# Altium PCB IC_LAB_test.PcbDoc (part 7 of 8)
Units mil, origin at the board's own origin, x right, y up, seen from the top; angles counter-clockwise.
Board outline 9750.75 x 5353.06 mil, 2 copper layers (Top Layer, Bottom Layer); 164 components, 0 nets, 5989 pads, 3214 vias.
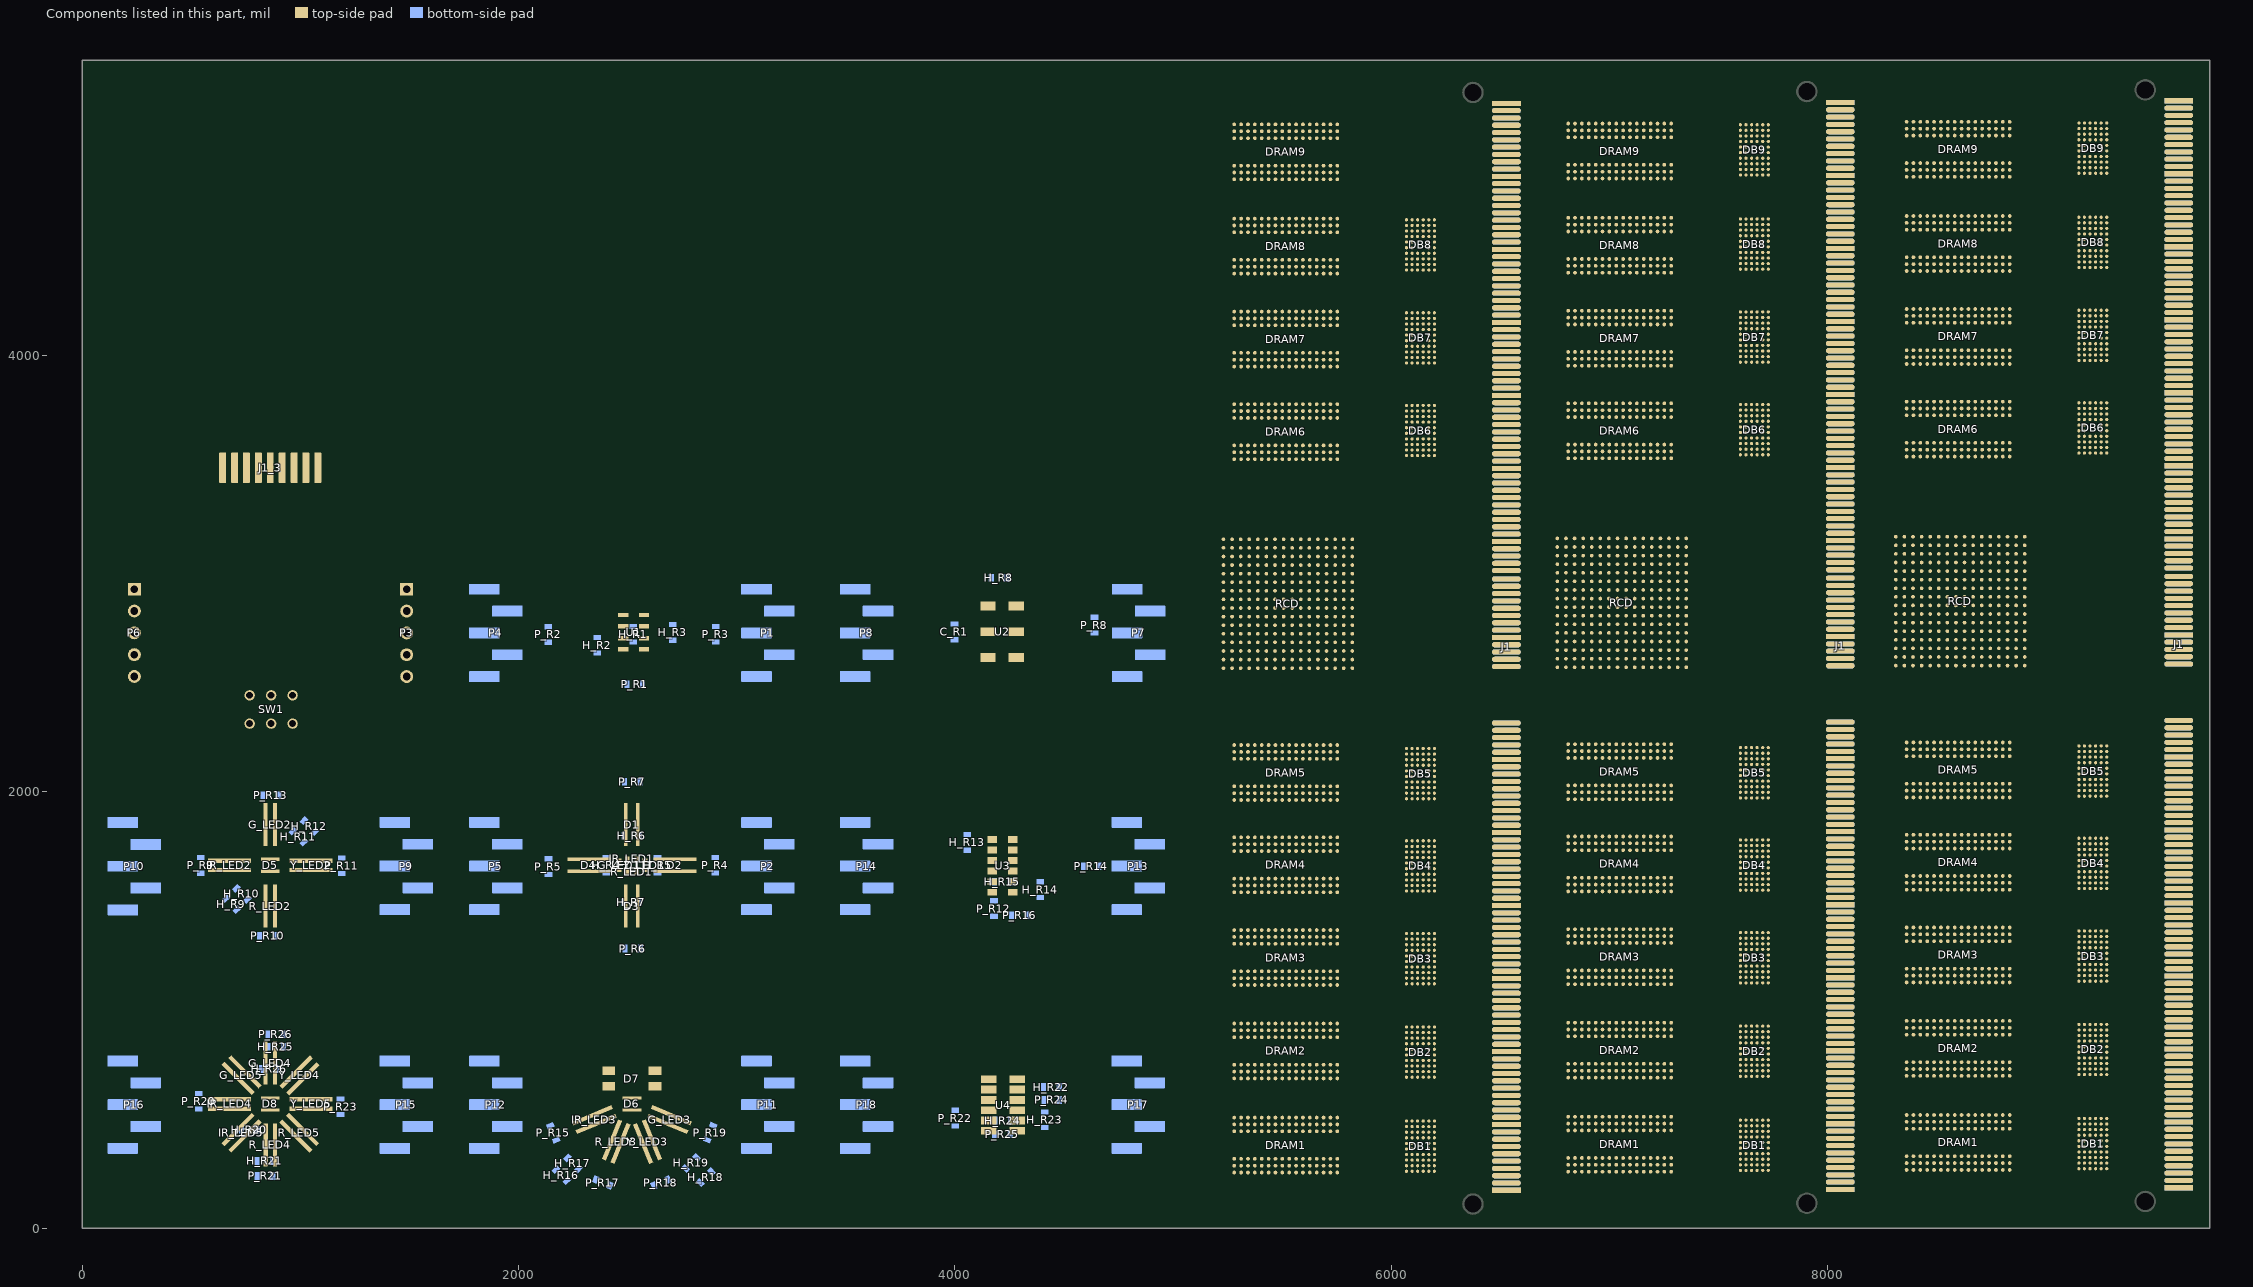
[diagram p7: the components of this part, seen from the top]

## Via types
v1: diameter 17.72, hole 8, Top Layer to Bottom Layer, 2685 vias
v2: diameter 39.37, hole 23.62, Top Layer to Bottom Layer, tented both sides, 414 vias
v3: diameter 23.62, hole 11.81, Top Layer to Bottom Layer, 52 vias
v4: diameter 23.62, hole 11.81, Top Layer to Bottom Layer, tented top, 33 vias
v5: diameter 31.5, hole 15.75, Top Layer to Bottom Layer, 21 vias
v6: diameter 137.8, hole 122.05, Top Layer to Bottom Layer, 3 vias
v7: diameter 78.74, hole 62.99, Top Layer to Bottom Layer, 3 vias
v8: diameter 39.37, hole 19.68, Top Layer to Bottom Layer, 3 vias

## Nets (pads, with @x,y where several pads share a name; then routed paths per layer and width w, separated by ;. In a path a pad name is that pad's centre, name@x,y a point inside that pad or via, vN(x,y) a via of type N, cw(c..) or ccw(c..) an arc to the next point about the centre after c; other vN are vias at no path point) (continued)
copper on no net: (continued)
  Bottom Layer w11.81: 186.02,765.75 231.1,765.75 250.2,746.65 250.2,740.38 257.12,733.46 607,733.46 660.43,680.03 660.43,637.99 711.61,586.81 855.09,586.81 862.01,593.73 v4(862.01,620.28) ; 186.02,1858.66 228.71,1858.66 247.81,1839.57 247.81,1858.66 300.59,1858.66 v3(316.93,1875) ; 225.39,769.69 270.47,769.69 289.57,750.59 289.57,744.32 296.49,737.4 646.37,737.4 699.8,683.97 699.8,641.93 750.98,590.75 894.46,590.75 901.38,597.67 901.38,624.21 ; 225.39,1862.6 268.08,1862.6 287.18,1843.5 287.18,1862.6 339.96,1862.6 356.3,1878.94 ; 291.14,665.75 336.22,665.75 355.31,684.84 355.31,691.11 362.23,698.03 592.32,698.03 632.87,657.48 632.87,615.44 696.94,551.38 855.09,551.38 862.01,544.46 v4(862.01,517.91) ; 291.14,1758.66 284.84,1764.96 284.84,1790.16 v3(334.45,1839.76) ; 330.51,669.69 375.59,669.69 394.69,688.78 394.69,695.05 401.6,701.97 631.69,701.97 672.24,661.42 672.24,619.38 736.31,555.32 894.46,555.32 901.38,548.4 901.38,521.85 ; 330.51,1762.6 324.21,1768.9 324.21,1794.09 373.82,1843.7 ; v3(489.96,1640.95) 493.16,1640.95 507.49,1626.61 543.11,1626.61 ; v3(491.21,545.2) 533.46,545.2 ; 529.33,1644.88 532.53,1644.88 546.86,1630.55 582.48,1630.55 ; 530.58,549.14 572.83,549.14 ; v3(593.5,631.89) 593.5,505.91 734.25,365.16 v3(756.89,365.16) 756.89,331.69 768.7,319.88 795.71,319.88 801.61,313.98 801.61,308.07 801.4,308.29 ; 632.87,635.83 632.87,509.84 773.62,369.09 796.26,369.09 796.26,335.63 808.07,323.82 835.08,323.82 840.98,317.91 840.98,312.01 840.77,312.22 ; 658.12,1510.18 658.12,1514.12 635.63,1536.61 v3(635.63,1728.54) 687.8,1728.54 768.5,1647.83 900.31,1647.83 1006.83,1541.31 1417.26,1541.31 1436.72,1521.85 1461.59,1521.85 1473.82,1534.08 1473.82,1540.35 1492.91,1559.45 1537.99,1559.45 ; v3@685.83,1597.64 685.83,1577.95 706.35,1557.43 ; v3(687.01,482.28) 718.5,450.79 730.74,450.79 ; v3(695.87,649.61) 695.87,732.28 746.13,782.55 851.38,782.55 ; 697.49,1514.12 697.49,1518.06 675,1540.55 675,1732.48 727.17,1732.48 807.87,1651.77 939.68,1651.77 1046.2,1545.25 1456.63,1545.25 1476.09,1525.79 1500.96,1525.79 1513.19,1538.02 1513.19,1544.29 1532.28,1563.39 1577.36,1563.39 ; 712.55,1458.71 735.04,1436.22 884.65,1436.22 ; v2@725.2,1601.57 725.2,1581.89 745.72,1561.37 ; 726.38,486.22 757.87,454.72 770.12,454.72 ; 735.24,653.54 735.24,736.22 785.5,786.49 890.75,786.49 ; 751.92,1462.65 774.41,1440.16 v3@924.02,1440.16 ; 756.9,1506.87 777.42,1486.35 777.49,1486.42 v3(796.06,1486.42) 796.06,1590.75 817.72,1612.4 885.63,1612.4 992.15,1505.88 1402.59,1505.88 1413.22,1495.25 1413.22,1478.54 1432.31,1459.45 1432.87,1459.45 ; 771.57,365.16 772.67,366.26 1059.03,366.26 1204.36,220.92 1524.94,220.92 1556.1,252.08 1556.1,397.53 1523.68,429.95 1523.68,451.44 1537.99,465.75 ; v3(772.64,749.02) 792.32,729.34 821.78,729.34 ; 796.27,1510.81 816.79,1490.29 816.86,1490.35 835.43,1490.35 835.43,1594.68 857.09,1616.34 925,1616.34 1031.52,1509.82 1441.96,1509.82 1452.59,1499.18 1452.59,1482.48 1471.68,1463.39 1472.24,1463.39 ; v3(797.05,1840.75) 829.53,1840.75 ; 810.94,369.09 812.04,370.19 1098.4,370.19 1243.73,224.86 1564.31,224.86 1595.47,256.02 1595.47,401.47 1563.05,433.89 1563.05,455.37 1577.36,469.69 ; 812.01,752.95 831.69,733.27 861.15,733.27 ; 828.97,1983.46 828.97,1841.3 829.53,1840.75 ; 836.42,1844.69 868.9,1844.69 ; v3(837.53,939.89) 837.53,938.49 851.81,924.21 851.81,888.78 ; 851.31,830.71 851.31,782.62 851.38,782.55 ; 868.34,1987.4 868.34,1845.24 868.9,1844.69 ; 873.1,308.07 877.04,312 v3(939.96,312) ; 876.9,943.83 876.9,942.43 891.18,928.15 891.18,892.72 ; 884.43,1338.99 885.2,1339.76 885.2,1435.67 884.65,1436.22 ; 890.68,834.65 890.68,786.56 890.75,786.49 ; 893.27,729.33 v3(938.98,729.33) ; 912.47,312 916.41,315.94 979.33,315.94 ; 922.8,830.71 1011.81,830.71 1090.55,751.97 v3(1090.55,697.83) ; 923.8,1342.93 924.57,1343.7 924.57,1439.6 v3@924.02,1440.16 ; 924.3,781.5 925.94,781.5 ; v3(926.97,1436.22) 884.65,1436.22 ; v3@932.64,733.27 978.35,733.27 ; 962.17,834.65 1051.18,834.65 1129.92,755.91 1129.92,701.77 ; 963.67,785.43 965.31,785.43 ; 965.15,1819.31 943.71,1840.75 829.53,1840.75 ; 966.34,1440.16 v3@924.02,1440.16 ; 1004.52,1823.25 983.08,1844.69 868.9,1844.69 ; 1015.7,1768.75 1041.14,1743.31 v3(1041.14,1596.65) 1084.45,1596.65 1139.57,1651.77 1139.57,1743.31 1187.99,1791.73 1466.9,1791.73 1473.82,1784.81 1473.82,1778.54 1492.91,1759.45 1537.99,1759.45 ; 1016.33,1867.54 996.86,1887.01 v3(926.97,1887.01) 971.26,1931.3 1117.91,1931.3 1222.05,1827.17 1361.78,1827.17 1368.7,1834.08 1368.7,1840.35 1387.8,1859.45 1432.87,1859.45 ; v3(1016.72,502.37) 965.14,450.78 802.24,450.78 799.21,447.76 v3(799.21,399.61) 1075.79,399.61 1219.04,256.35 1510.26,256.35 1520.67,266.76 1520.67,382.85 1513.75,389.77 1501.97,389.77 1477.95,365.75 1432.87,365.75 ; 1055.07,1772.69 1080.51,1747.24 1080.51,1600.59 1123.82,1600.59 1178.94,1655.71 1178.94,1747.24 1227.36,1795.67 1506.27,1795.67 1513.19,1788.75 1513.19,1782.48 1532.28,1763.39 1577.36,1763.39 ; 1055.7,1871.47 1036.23,1890.95 966.34,1890.95 1010.63,1935.24 1157.28,1935.24 1261.42,1831.1 1401.15,1831.1 1408.07,1838.02 1408.07,1844.29 1427.17,1863.39 1472.24,1863.39 ; 1056.09,506.3 1004.51,454.72 841.61,454.72 838.58,451.7 838.58,403.54 1115.16,403.54 1258.41,260.29 1549.63,260.29 1560.04,270.7 1560.04,386.79 1553.12,393.71 1541.34,393.71 1517.32,369.69 1472.24,369.69 ; 1066.88,1816.98 1097.24,1786.61 1097.24,1729.53 v3(1098.23,1728.54) ; v3(1082.68,504.92) 1082.68,527.56 1079.72,530.51 938.98,671.26 v3(938.98,729.33) ; 1106.25,1820.92 1136.61,1790.55 1136.61,1733.46 1137.6,1732.48 ; 1122.05,508.86 1122.05,531.5 1119.09,534.45 978.35,675.2 978.35,733.27 ; 1184.06,591.61 1185.08,590.59 1237.76,590.59 v3(1238.78,589.57) ; 1189.76,1625.12 v3@1271.65,1625.12 ; 1189.76,1696.61 1224.65,1696.61 v3(1236.02,1685.24) ; 1223.43,595.54 1224.45,594.52 1277.13,594.52 1278.15,593.5 ; 1229.13,1629.06 1311.02,1629.06 ; 1229.13,1700.55 1264.02,1700.55 1275.39,1689.17 ; 1432.87,765.75 1387.8,765.75 1368.7,746.65 1368.7,740.38 1361.78,733.46 1179.33,733.46 1097.44,651.58 1056.1,651.58 1038.39,669.29 1038.39,753.82 1010.71,781.5 925.94,781.5 ; 1472.24,769.69 1427.17,769.69 1408.07,750.59 1408.07,744.32 1401.15,737.4 1218.7,737.4 1136.81,655.51 1095.47,655.51 1077.76,673.23 1077.76,757.76 1050.08,785.43 965.31,785.43 ; 1537.99,665.75 1492.91,665.75 1473.82,684.84 1473.82,691.11 1466.9,698.03 1194.01,698.03 1112.12,616.14 1041.43,616.14 1002.95,654.61 1002.95,739.14 996.03,746.06 958.9,746.06 942.17,729.33 v3(938.98,729.33) ; 1577.36,669.69 1532.28,669.69 1513.19,688.78 1513.19,695.05 1506.27,701.97 1233.38,701.97 1151.49,620.08 1080.8,620.08 1042.32,658.55 1042.32,743.08 1035.4,750 998.27,750 981.54,733.27 978.35,733.27 ; 1843.5,565.75 2084.65,565.75 2145.25,505.14 2145.25,469.78 2145.29,469.74 2147.55,472 2229.58,472 2355.17,346.41 2355.17,224.89 2352.91,222.63 ; 1843.5,765.75 1973.19,765.75 1991.71,784.26 v5(1997.04,784.26) ; 1843.5,1859.45 1973.01,1859.45 1973.8,1860.24 v3(1990.16,1860.24) ; 1882.87,569.69 2124.02,569.69 2184.62,509.08 2184.62,473.72 2184.66,473.67 2186.92,475.93 2268.95,475.93 2394.54,350.35 2394.54,228.83 2392.28,226.57 ; 1882.87,769.69 2012.56,769.69 2031.08,788.2 2036.41,788.2 ; 1882.87,1863.39 2012.38,1863.39 2013.17,1864.17 2029.53,1864.17 ; 1947.02,1761.05 1948.62,1759.45 1973.03,1759.45 1992.13,1778.54 1992.13,1810.04 2008.57,1826.48 2031.2,1826.48 v3(2033.46,1828.74) ; 1986.39,1764.98 1987.99,1763.39 2012.4,1763.39 2031.5,1782.48 2031.5,1813.98 2047.94,1830.42 2070.57,1830.42 2072.83,1832.68 ; v5(2096.26,420.28) 2096.26,343.5 2095.77,343.01 2170.92,267.86 ; 2135.63,424.21 2135.63,347.44 2135.14,346.95 2210.29,271.8 ; 2135.63,2756.46 v3(2135.63,2796.26) ; 2136.81,1621.49 2136.81,1519.68 2438.98,1217.52 2663.39,1217.52 2697.83,1251.97 2697.83,1520.67 2653.54,1564.96 2510.83,1564.96 2497.04,1578.74 v4(2497.04,1609.74) ; 2170.87,402.51 v5(2201.31,356.44) 2225.74,332.02 2225.74,323.66 2224.07,322 ; 2175,2760.4 2175,2800.2 ; 2176.18,1625.43 2176.18,1523.62 2478.35,1221.46 2702.76,1221.46 2737.2,1255.91 2737.2,1524.61 2692.91,1568.9 2550.2,1568.9 2536.41,1582.68 v4@2536.41,1613.67 ; 2210.24,406.45 2240.68,360.38 2265.11,335.95 2265.11,327.6 2263.44,325.93 ; 2221.47,217.31 2265.54,173.23 2398.21,173.23 2418.95,193.97 2418.95,195.27 v5(2454,179.66) ; 2260.84,221.24 2304.91,177.17 2437.58,177.17 2458.32,197.91 2458.32,199.2 2493.37,183.6 ; 2274.62,271.44 2278.97,271.44 2297.22,253.19 2297.22,250.83 2296.22,249.84 ccw(c2303.65,257.26) v5(2303.65,246.76) ; 2313.99,275.38 2318.34,275.38 2336.59,257.13 2336.59,254.77 2335.59,253.77 ; v3(2324.8,1796.26) v3(2453.74,1796.26) 2486.15,1796.26 2488.12,1798.23 ; v4@2360.04,2595.47 2352.17,2587.6 2313.87,2587.6 2249.8,2651.66 2249.8,2776.58 2368.9,2895.67 3019.26,2895.67 3026.18,2902.59 3026.18,2908.86 3045.28,2927.95 3090.35,2927.95 ; 2360.04,2635.27 2355.67,2630.91 2320.67,2630.91 2285.24,2666.34 2285.24,2761.9 2383.57,2860.24 3124.38,2860.24 3131.3,2853.32 3131.3,2847.05 3150.39,2827.95 3195.47,2827.95 ; 2360.04,2706.76 2360.57,2706.24 2414.63,2706.24 v4(2415.16,2705.71) ; 2364.17,1800.2 2493.11,1800.2 2525.52,1800.2 2527.49,1802.17 ; v3@2388.78,1752.95 2385.83,1752.95 2357.28,1724.41 2357.28,1603.35 2390.75,1569.88 v3(2399.61,1569.88) 2432.09,1537.4 2599.41,1537.4 2622.05,1514.76 v3(2622.05,1465.55) ; 2399.41,2599.41 2391.54,2591.54 2353.24,2591.54 2289.17,2655.6 2289.17,2780.51 2408.27,2899.61 3058.63,2899.61 3065.55,2906.53 3065.55,2912.8 3084.65,2931.89 3129.72,2931.89 ; 2399.41,2639.21 2395.04,2634.84 2360.04,2634.84 2324.61,2670.28 2324.61,2765.84 2422.94,2864.17 3163.75,2864.17 3170.67,2857.25 3170.67,2850.98 3189.76,2831.89 3234.84,2831.89 ; 2399.41,2710.7 2399.94,2710.17 2454,2710.17 2454.53,2709.65 ; v3(2400.59,1752.95) 2401.57,1751.97 v3(2644.69,1751.97) ; 2401.57,1626.9 2476.68,1626.9 v4@2493.85,1609.74 ; 2401.57,1698.39 2476.69,1698.39 ; v4(2415.16,2756.89) 2415.69,2757.42 2524.87,2757.42 2525.4,2757.95 ; 2428.15,1756.89 2425.2,1756.89 2396.65,1728.35 2396.65,1607.28 2430.12,1573.82 2438.98,1573.82 2471.46,1541.34 2638.78,1541.34 2661.42,1518.7 2661.42,1469.49 ; 2439.96,1756.89 2440.94,1755.91 2684.06,1755.91 ; 2440.94,1630.83 2516.05,1630.83 v4@2533.22,1613.67 ; 2440.94,1702.33 2516.06,1702.33 ; v3(2445.87,2046.26) 2483.7,2046.26 2484.68,2045.28 ; 2454.53,2760.83 2455.06,2761.35 2564.24,2761.35 2564.77,2761.88 ; 2480.24,1494.1 2479.26,1493.11 v3(2453.74,1493.11) 2416.34,1493.11 2283.46,1625.98 2283.46,1869.01 2351.46,1937.01 2601.29,1937.01 2711.13,1827.17 3019.26,1827.17 3026.18,1834.08 3026.18,1840.35 3045.28,1859.45 3090.35,1859.45 ; 2485.24,2050.2 2523.07,2050.2 2524.05,2049.21 ; 2487.56,1281.5 2487.56,1391.11 2553.7,1457.25 2553.7,1495.08 ; v4@2493.85,1715.55 2476.69,1698.39 ; 2519.61,1498.04 2518.63,1497.05 2493.11,1497.05 2455.71,1497.05 2322.83,1629.92 2322.83,1872.94 2390.84,1940.94 2640.66,1940.94 2750.5,1831.1 3058.63,1831.1 3065.55,1838.02 3065.55,1844.29 3084.65,1863.39 3129.72,1863.39 ; 2525.39,2686.45 2525.39,2619.09 2541.14,2603.35 v4(2572.64,2603.35) 2572.64,2630.91 2580.51,2638.78 2601.27,2638.78 2640.64,2599.41 2813.87,2599.41 3030.4,2382.87 3166.17,2382.87 3202.67,2419.38 3202.67,2532.41 3181.16,2553.93 3181.16,2613.64 3195.47,2627.95 ; 2526.93,1285.43 2526.93,1395.04 2593.07,1461.18 v3@2593.07,1499.02 ; v4@2533.22,1719.49 2516.06,1702.33 ; v4(2541.33,1609.74) 2544.53,1609.74 2561.69,1626.9 2636.81,1626.9 2721.53,1626.9 2856.69,1491.73 3019.26,1491.73 3026.18,1484.81 3026.18,1478.54 3045.28,1459.45 3090.35,1459.45 ; v4@2544.53,1715.55 2561.7,1698.39 2636.81,1698.39 2901.57,1698.39 ; 2551.74,1494.09 2552.72,1495.08 2553.7,1495.08 ; 2554.69,1798.23 2556.66,1796.26 2580.71,1796.26 2580.71,1832.68 2571.85,1841.54 2367.13,1841.54 2357.28,1851.38 2357.28,1892.72 2366.14,1901.57 2586.61,1901.57 2696.46,1791.73 3124.38,1791.73 3131.3,1784.81 3131.3,1778.54 3150.39,1759.45 3195.47,1759.45 ; 2564.76,2690.39 2564.76,2623.03 2580.51,2607.28 2612.01,2607.28 2612.01,2634.84 2619.88,2642.72 2640.64,2642.72 2680.01,2603.35 2853.24,2603.35 3069.77,2386.81 3205.54,2386.81 3242.05,2423.32 3242.05,2536.35 3220.53,2557.86 3220.53,2617.58 3234.84,2631.89 ; 2572.21,2493.11 2576.14,2497.05 v4(2615.94,2497.05) ; 2580.7,1613.67 2583.9,1613.67 2601.06,1630.83 2676.18,1630.83 2760.9,1630.83 2896.06,1495.67 3058.63,1495.67 3065.55,1488.75 3065.55,1482.48 3084.65,1463.39 3129.72,1463.39 ; 2583.9,1719.49 2601.07,1702.33 2676.18,1702.33 2940.94,1702.33 ; v3(2584.65,1500) 2558.63,1500 2553.7,1495.08 ; v3@2591.11,1498.03 2592.09,1499.02 v3@2593.07,1499.02 ; v3@2594.06,1802.17 2596.03,1800.2 2620.08,1800.2 2620.08,1836.61 2611.22,1845.47 2406.5,1845.47 2396.65,1855.32 2396.65,1896.65 2405.51,1905.51 2625.98,1905.51 2735.83,1795.67 3163.75,1795.67 3170.67,1788.75 3170.67,1782.48 3189.76,1763.39 3234.84,1763.39 ; v4@2611.58,2497.05 2615.52,2500.98 2655.32,2500.98 ; 2619.63,194.7 2617.37,196.96 2617.37,333.12 2690.8,406.54 2859.32,406.54 ; 2624.02,1503.94 2598,1503.94 v3@2593.07,1499.02 ; v4(2637.99,2704.13) 2641.19,2704.13 2650.99,2694.33 2706.5,2694.33 ; 2659,198.64 2656.74,200.9 2656.74,337.06 2730.17,410.48 2898.69,410.48 ; 2677.36,2708.07 2680.56,2708.07 2690.36,2698.26 2745.87,2698.26 ; 2685.69,222.06 v5(2723.23,244.09) 2765.41,273.48 ; 2706.5,2765.82 2651.69,2765.82 2641.19,2755.32 v4(2637.99,2755.32) 2618.31,2755.32 2604.13,2741.14 2604.13,2686.02 2655.32,2634.84 2828.54,2634.84 3045.08,2418.31 3151.49,2418.31 3167.24,2434.06 3167.24,2501.94 3160.32,2508.86 3109.45,2508.86 3090.35,2527.95 ; 2725.06,225.99 2762.6,248.03 2804.78,277.41 ; 2745.87,2769.76 2691.06,2769.76 2680.56,2759.25 2677.36,2759.25 2657.68,2759.25 2643.5,2745.08 2643.5,2689.96 2694.69,2638.78 2867.91,2638.78 3084.45,2422.24 3190.86,2422.24 3206.61,2437.99 3206.61,2505.88 3199.69,2512.8 3148.82,2512.8 3129.72,2531.89 ; v5(2772.44,188.98) 2833.32,208.52 ; 2811.81,192.91 2872.69,212.45 ; 2815.96,324.03 2816.94,324.03 v5(2846.26,353.35) ; 2855.33,327.96 2856.31,327.96 2885.63,357.28 ; 2864.77,404.28 2861.58,404.28 2859.32,406.54 ; 2883.88,259.07 2879.7,263.24 2879.7,271.59 2925.98,317.88 2925.98,439.68 2895.33,470.33 2892.14,470.33 v5(2909.25,511.81) ; 2904.14,408.22 2900.95,408.22 2898.69,410.48 ; 2923.25,263 2919.07,267.18 2919.07,275.53 2965.35,321.82 2965.35,443.62 2934.7,474.27 2931.51,474.27 2948.62,515.75 ; v5(2925.91,634.84) 2928.94,637.87 2928.94,673.23 2989.17,733.46 3019.26,733.46 3026.18,740.38 3026.18,746.65 3045.28,765.75 3090.35,765.75 ; v5@2965.28,638.78 2968.31,641.81 2968.31,677.17 3028.54,737.4 3058.63,737.4 3065.55,744.32 3065.55,750.59 3084.65,769.69 3129.72,769.69 ; v5(2967.4,634.84) 2964.37,637.87 2964.37,658.55 3003.85,698.03 3124.38,698.03 3131.3,691.11 3131.3,684.84 3150.39,665.75 3195.47,665.75 ; 3006.77,638.78 3003.74,641.81 3003.74,662.49 3043.22,701.97 3163.75,701.97 3170.67,695.05 3170.67,688.78 3189.76,669.69 3234.84,669.69 ; 3090.35,365.75 3135.43,365.75 3159.45,389.77 3171.23,389.77 3178.15,382.85 3178.15,336.87 3142.97,301.69 3142.97,219.03 v5(3137.52,213.58) ; 3090.35,565.75 2899.21,565.75 2826.38,492.91 2826.38,439.48 2859.32,406.54 ; 3129.72,369.69 3174.8,369.69 3198.83,393.71 3210.6,393.71 3217.52,386.79 3217.52,340.81 3182.34,305.63 3182.34,222.97 v5@3176.89,217.52 ; 3129.72,569.69 2938.58,569.69 2865.75,496.85 2865.75,443.42 2898.69,410.48 ; v5(3179.02,213.58) 3179.02,218.43 3175.98,221.46 3175.98,284.59 3213.58,322.19 3213.58,397.53 3181.16,429.95 3181.16,451.44 3195.47,465.75 ; 3195.47,1559.45 3150.39,1559.45 3131.3,1540.35 3131.3,1534.08 3124.38,1527.17 2871.37,1527.17 2736.2,1662.33 2622.13,1662.33 2621.22,1661.42 2513.66,1661.42 2476.69,1698.39 ; 3218.39,217.52 3218.39,222.36 3215.35,225.39 3215.35,288.53 3252.95,326.13 3252.95,401.47 3220.53,433.89 3220.53,455.37 3234.84,469.69 ; 3234.84,1563.39 3189.76,1563.39 3170.67,1544.29 3170.67,1538.02 3163.75,1531.1 2910.74,1531.1 2775.57,1666.27 2661.5,1666.27 2660.59,1665.35 2553.03,1665.35 2516.06,1702.33 ; 4001.77,468.43 4004.7,465.51 4004.7,439.01 4013.58,430.12 4181.81,430.12 ; 4001.77,539.92 4002.2,540.35 v4(4084.45,540.35) 4167.13,540.35 4183.3,524.18 4183.3,493.11 ; 4041.14,472.37 4044.07,469.44 4044.07,442.94 4052.95,434.06 4221.18,434.06 ; 4041.14,543.86 4041.57,544.29 4123.82,544.29 4206.5,544.29 4222.67,528.11 4222.67,497.05 ; v4(4112.8,1539.57) 4112.8,1500.2 4147.44,1465.55 4225.53,1465.55 4245.22,1485.24 4316.73,1485.24 4332.05,1469.92 4332.05,1434.06 ; v4(4135.63,1434.06) 4137.89,1431.8 4176.2,1431.8 4178.93,1429.06 4255.56,1429.06 4260.56,1434.06 ; 4152.17,1543.5 4152.17,1504.13 4186.81,1469.49 4264.9,1469.49 4284.59,1489.17 4356.1,1489.17 4371.42,1473.86 4371.42,1437.99 ; 4175,1437.99 4177.26,1435.73 4215.57,1435.73 4218.3,1433 4294.93,1433 4299.93,1438 ; 4178.94,1500.55 4178.94,1528.54 4189.07,1538.68 4253.31,1538.68 ; 4218.31,1504.49 4218.31,1532.48 4228.44,1542.61 4292.68,1542.61 ; 4253.31,430.12 4312.8,430.12 4326.57,443.9 4357.33,443.9 4373.99,460.56 4411.22,460.56 4423.03,460.56 ; 4253.31,1587.6 4253.31,1538.68 ; 4254.8,493.11 v4@4352.16,493.11 ; 4292.68,434.06 4352.17,434.06 4365.95,447.83 4396.7,447.83 4413.36,464.5 4450.59,464.5 4462.4,464.5 ; 4292.68,1591.54 4292.68,1542.61 ; 4294.17,497.04 4391.53,497.04 ; v4(4324.61,1536.42) 4322.35,1538.68 4253.31,1538.68 ; v4(4356.1,540.35) 4379.72,540.35 4388.03,532.05 4411.22,532.05 4412.98,530.29 4595.09,530.29 4691.92,433.46 4821.82,433.46 4828.74,440.38 4828.74,446.65 4847.83,465.75 4892.91,465.75 ; v4(4356.1,682.09) 4401.34,682.09 4408.26,689.01 4408.26,711.04 4430.68,733.46 4716.7,733.46 4723.62,740.38 4723.62,746.65 4742.72,765.75 4787.8,765.75 ; v4@4360.04,634.84 4394.41,634.84 4406.23,646.66 4406.97,645.92 4406.97,588.34 4407.71,587.6 ; 4363.98,1540.35 4361.72,1542.61 4292.68,1542.61 ; v4@4366.84,493.11 4368.59,494.86 4580.41,494.86 4677.24,398.03 4716.7,398.03 4723.62,391.11 4723.62,384.84 4742.72,365.75 4787.8,365.75 ; 4395.47,544.29 4419.09,544.29 4427.4,535.99 4450.59,535.99 4452.35,534.23 4634.46,534.23 4731.29,437.4 4861.19,437.4 4868.11,444.32 4868.11,450.59 4887.2,469.69 4932.28,469.69 ; 4395.47,686.02 4440.71,686.02 4447.63,692.94 4447.63,714.98 4470.05,737.4 4756.07,737.4 4762.99,744.32 4762.99,750.59 4782.09,769.69 4827.17,769.69 ; 4399.41,638.78 4433.78,638.78 4445.6,650.6 4446.34,649.85 4446.34,592.28 4447.08,591.54 ; 4406.21,497.04 4407.96,498.8 4619.78,498.8 4716.61,401.97 4756.07,401.97 4762.99,395.05 4762.99,388.78 4782.09,369.69 4827.17,369.69 ; 4477.72,646.65 4477.72,675.95 4499.8,698.03 4821.82,698.03 4828.74,691.11 4828.74,684.84 4847.83,665.75 4892.91,665.75 ; 4517.09,650.59 4517.09,679.89 4539.17,701.97 4861.19,701.97 4868.11,695.05 4868.11,688.78 4887.2,669.69 4932.28,669.69 ; 851.38,782.55 924.88,782.55 925.94,781.5 ; 890.75,786.49 964.25,786.49 965.31,785.43
  Bottom Layer w15: 1948.62,665.75 1991.2,665.75 2008.7,683.25 2008.7,732.78 2026.38,750.46 v5(2026.38,754.92) ; 1948.62,2827.95 1991.44,2827.95 2008.94,2845.45 2008.94,2863.27 2114.35,2968.68 v3(2114.35,3016.73) ; 1987.99,669.69 2030.57,669.69 2048.07,687.19 2048.07,736.72 2065.75,754.39 2065.75,758.86 ; 1987.99,2831.89 2030.81,2831.89 2048.31,2849.39 2048.31,2867.21 2153.72,2972.62 2153.72,3020.67
  Bottom Layer w15.75: 767.52,2312.2 812.8,2357.48 ; 767.52,2442.13 816.73,2392.91 1117.65,2392.91 1322.77,2598.03 1417.21,2598.03 1417.6,2597.64 1456.13,2597.64 1486.44,2627.95 1487.01,2627.95 ; 806.89,2316.14 852.17,2361.42 ; 806.89,2446.06 856.1,2396.85 1157.02,2396.85 1362.14,2601.97 1456.58,2601.97 1456.97,2601.57 1495.5,2601.57 1525.81,2631.89 1526.38,2631.89 ; 814.76,2357.48 1137.89,2357.48 1339.07,2558.66 1400.9,2558.66 1401.3,2558.27 1456.13,2558.27 1486.44,2527.95 1487.01,2527.95 ; 854.13,2361.42 1177.26,2361.42 1378.44,2562.6 1440.27,2562.6 1440.67,2562.2 1495.5,2562.2 1525.81,2531.89 1526.38,2531.89 ; v5(1152.28,2621.26) 1153.35,2622.32 1153.35,2720.24 1331.13,2898.03 1413.48,2898.03 1413.87,2897.64 1456.69,2897.64 1487.01,2927.95 ; v5@1191.65,2625.2 1192.72,2626.26 1192.72,2724.18 1370.5,2901.97 1452.85,2901.97 1453.24,2901.57 1496.06,2901.57 1526.38,2931.89 ; v5(1193.78,2621.26) 1192.72,2622.32 1192.72,2703.94 1347.44,2858.66 ; 1233.15,2625.2 1232.09,2626.26 1232.09,2707.87 1386.81,2862.6 ; 1347.09,2858.66 1347.44,2858.66 ; 1386.46,2862.6 1386.81,2862.6 ; 1487.01,2827.95 1486.44,2827.95 1456.13,2858.27 1397.56,2858.27 1397.17,2858.66 1347.44,2858.66 ; 1526.38,2831.89 1525.81,2831.89 1495.5,2862.2 1436.93,2862.2 1436.54,2862.6 1386.81,2862.6 ; 1843.5,2927.95 2018.47,2927.95 2074.98,2984.46 v3(2074.98,3016.73) ; 1882.87,2931.89 2057.84,2931.89 2114.35,2988.4 v3@2114.35,3020.67 ; 3542.32,765.75 3587.4,765.75 3604.53,748.62 3604.53,744.66 3613.75,735.43 3785.99,735.43 3886.58,634.84 v4(4088.39,634.84) ; 3542.32,1659.45 3542.81,1658.96 3643.01,1658.96 v3(3643.5,1658.46) ; 3542.32,1859.45 3587.4,1859.45 3604.53,1842.32 3604.53,1838.36 3613.75,1829.13 3705.15,1829.13 3714.37,1838.36 v3(3714.37,1945.87) ; 3542.32,2927.95 3587.4,2927.95 3604.53,2910.83 3604.53,2906.86 3613.75,2897.64 3719.09,2897.64 3728.31,2906.86 3728.31,2926.87 3726.18,2929 v3(3726.18,2976.8) ; 3581.69,769.69 3626.77,769.69 3643.9,752.56 3643.9,748.6 3653.12,739.37 3825.36,739.37 3925.95,638.78 4127.76,638.78 ; 3581.69,1663.39 3582.19,1662.89 3682.38,1662.89 3682.87,1662.4 ; 3581.69,1863.39 3626.77,1863.39 3643.9,1846.26 3643.9,1842.3 3653.12,1833.07 3744.52,1833.07 3753.74,1842.3 v3@3753.74,1949.8 ; 3581.69,2931.89 3626.77,2931.89 3643.9,2914.76 3643.9,2910.8 3653.12,2901.57 3758.46,2901.57 3767.68,2910.8 3767.68,2930.81 3765.55,2932.94 v3@3765.55,2980.74 ; 3647.44,665.75 3692.52,665.75 3709.65,682.87 3709.65,686.84 3718.87,696.06 3769.69,696.06 3874.21,591.54 4078.88,591.54 4081.31,589.11 4086.88,589.11 v4(4088.39,587.6) ; 3647.44,1759.45 3692.52,1759.45 3709.65,1776.57 3709.65,1780.54 3718.87,1789.76 3721.45,1789.76 3753.74,1822.05 v3(3753.74,1945.87) ; 3647.44,2827.95 3692.52,2827.95 3709.65,2845.08 3709.65,2849.04 3718.87,2858.27 3735.39,2858.27 3767.68,2890.56 3767.68,2943.18 3765.55,2945.31 v3(3765.55,2976.8) ; 3686.81,669.69 3731.89,669.69 3749.02,686.81 3749.02,690.78 3758.24,700 3809.06,700 3913.58,595.47 4118.25,595.47 4120.68,593.04 4126.25,593.04 4127.76,591.54 ; 3686.81,1763.39 3731.89,1763.39 3749.02,1780.51 3749.02,1784.48 3758.24,1793.7 3760.82,1793.7 3793.11,1825.99 3793.11,1949.8 ; 3686.81,2831.89 3731.89,2831.89 3749.02,2849.02 3749.02,2852.98 3758.24,2862.2 3774.76,2862.2 3807.05,2894.49 3807.05,2947.11 3804.92,2949.24 3804.92,2980.74 ; 3997.83,2696.78 3997.83,2666.34 4049.02,2615.16 v4(4092.32,2615.16) ; 3997.83,2768.27 3997.83,2808.07 4041.14,2851.38 v4(4096.26,2851.38) ; 4037.2,2700.72 4037.2,2670.28 4088.39,2619.09 4131.69,2619.09 ; 4037.2,2772.21 4037.2,2812.01 4080.51,2855.32 4135.63,2855.32 ; 4056.89,1732.21 4057.02,1732.35 4111.09,1732.35 v4(4111.22,1732.48) ; 4056.89,1803.7 4062.8,1803.7 4066.73,1807.64 4066.73,1837.6 4088.39,1859.25 4336.42,1859.25 4337.26,1858.41 4452.56,1858.41 4579.39,1985.24 4856.66,1985.24 4910.44,1931.46 4910.44,1862.77 4876.63,1828.96 4876.63,1775.73 4892.91,1759.45 ; 4096.26,1736.15 4096.39,1736.28 4150.46,1736.28 4150.59,1736.42 ; 4096.26,1807.64 4102.17,1807.64 4106.1,1811.58 4106.1,1841.54 4127.76,1863.19 4375.79,1863.19 4376.63,1862.34 4491.93,1862.34 4618.76,1989.17 4896.03,1989.17 4949.81,1935.4 4949.81,1866.7 4916,1832.9 4916,1779.67 4932.28,1763.39 ; v4(4151.38,2918.31) 4151.38,2920.44 4166.07,2935.13 4166.07,2981.3 ; 4181.81,1587.6 v4(4112.01,1587.6) 4072.64,1587.6 4049.02,1563.98 4049.02,1453.74 4127.76,1375 4407.28,1375 4522.05,1489.76 4716.37,1489.76 4725.59,1480.54 4725.59,1476.57 4742.72,1459.45 4787.8,1459.45 ; 4190.75,2922.24 4190.75,2924.38 4205.44,2939.07 4205.44,2985.24 ; 4221.18,1591.54 4151.38,1591.54 4112.01,1591.54 4088.39,1567.91 4088.39,1457.68 4167.13,1378.94 4446.65,1378.94 4561.42,1493.7 4755.74,1493.7 4764.96,1484.48 4764.96,1480.51 4782.09,1463.39 4827.17,1463.39 ; 4237.56,2981.3 4284.37,2981.3 4374.92,3071.85 4844.85,3071.85 4919.37,2997.33 4919.37,2975.92 4920.87,2974.43 4920.87,2911.58 4876.63,2867.35 4876.63,2844.23 4892.91,2827.95 ; 4276.93,2985.24 4323.74,2985.24 4414.29,3075.79 4884.22,3075.79 4958.74,3001.26 4958.74,2979.86 4960.24,2978.37 4960.24,2915.52 4916,2871.29 4916,2848.17 4932.28,2831.89 ; v4(4325.04,1587.17) 4391.54,1587.17 4431.34,1587.17 4489.37,1529.13 4821.48,1529.13 4830.71,1538.36 4830.71,1542.32 4847.83,1559.45 4892.91,1559.45 ; 4332.05,1434.06 4352.17,1434.06 4391.53,1473.42 4391.53,1515.68 ; v4(4352.17,1815.95) 4353.67,1817.45 4359.24,1817.45 4360.83,1819.04 4468.87,1819.04 4595.7,1945.87 4840.35,1945.87 4871.07,1915.15 4871.07,1885.8 4861.84,1876.57 4804.92,1876.57 4787.8,1859.45 ; v4(4356.1,2615.16) v4(4356.1,2918.31) 4328.54,2945.87 4328.54,2969.79 4391.23,3032.48 4828.54,3032.48 4880,2981.02 4880,2959.62 4881.5,2958.12 4881.5,2927.89 4872.27,2918.67 4797.08,2918.67 4787.8,2927.95 ; 4364.41,1591.11 4430.91,1591.11 4470.71,1591.11 4528.74,1533.07 4860.85,1533.07 4870.08,1542.3 4870.08,1546.26 4887.2,1563.39 4932.28,1563.39 ; 4371.42,1437.99 4391.54,1437.99 4430.9,1477.36 4430.9,1519.61 ; 4391.54,1819.88 4393.04,1821.39 4398.61,1821.39 4400.2,1822.97 4508.24,1822.97 4635.07,1949.8 4879.72,1949.8 4910.44,1919.09 4910.44,1889.74 4901.21,1880.51 4844.29,1880.51 4827.17,1863.39 ; 4395.47,2619.09 4395.47,2922.24 4367.91,2949.8 4367.91,2973.73 4430.6,3036.42 4867.91,3036.42 4919.37,2984.96 4919.37,2963.55 4920.87,2962.06 4920.87,2931.83 4911.64,2922.6 4836.45,2922.6 4827.17,2931.89 ; 4639.57,2799.77 v3(4639.57,2839.57) ; 4678.94,2803.7 4678.94,2843.5
  Bottom Layer w23.62: 186.02,365.75 225.39,365.75 238.58,378.94 238.58,452.56 251.77,465.75 291.14,465.75 ; 186.02,565.75 416.14,565.75 ; 186.02,1458.66 281.1,1458.66 310.83,1488.39 310.83,1545.47 297.64,1558.66 291.14,1558.66 ; 186.02,1658.66 402.36,1658.66 ; 225.39,369.69 264.76,369.69 277.95,382.87 277.95,456.5 291.14,469.69 330.51,469.69 ; 225.39,569.69 455.51,569.69 ; 225.39,1462.6 320.47,1462.6 350.2,1492.32 350.2,1549.41 337.01,1562.6 330.51,1562.6 ; 225.39,1662.6 441.73,1662.6 ; 533.46,616.7 467.09,616.7 416.14,565.75 ; 543.11,1698.1 441.8,1698.1 402.36,1658.66 ; 572.83,620.63 506.46,620.63 455.51,569.69 ; 582.48,1702.04 481.17,1702.04 441.73,1662.6 ; 802.09,239.18 641.73,239.18 416.14,464.76 416.14,565.75 ; 813.71,1339.77 445.66,1339.77 402.36,1383.07 402.36,1658.66 ; 841.46,243.11 681.1,243.11 455.51,468.7 455.51,569.69 ; 853.08,1343.71 485.03,1343.71 441.73,1387.01 441.73,1662.6 ; 873.1,308.07 873.1,249.5 877.52,245.08 877.52,239.17 ; 900.46,1983.46 1156.3,1983.46 v3(1275.59,1864.17) ; 912.47,312 912.47,253.44 916.89,249.02 916.89,243.11 ; 923.3,888.77 1192.92,888.77 1306.1,775.59 v3(1307.09,775.59) ; 939.83,1987.4 1195.67,1987.4 1314.96,1868.11 ; 962.67,892.71 1232.29,892.71 1345.47,779.53 1346.46,779.53 ; 1184.06,520.12 1265.19,520.12 v5(1308.07,562.99) 1310.83,565.75 1432.87,565.75 ; 1223.43,524.05 1304.56,524.05 1347.44,566.93 1350.2,569.69 1472.24,569.69 ; v3(1276.57,1625.98) 1306.69,1625.98 1340.16,1659.45 1432.87,1659.45 ; 1315.94,1629.92 1346.06,1629.92 1379.53,1663.39 1472.24,1663.39 ; 1843.5,365.75 1882.87,365.75 1896.06,378.94 1896.06,452.56 1909.25,465.75 1948.62,465.75 ; 1843.5,1459.45 1882.87,1459.45 1896.06,1472.64 1896.06,1546.26 1909.25,1559.45 1948.62,1559.45 ; 1843.5,1659.45 2038.39,1659.45 v5@2071.85,1692.91 ; 1843.5,2727.95 2038.58,2727.95 2081.57,2684.97 2135.63,2684.97 2135.63,2632.09 2274.6,2493.12 2496.78,2493.12 ; 1882.87,369.69 1922.24,369.69 1935.43,382.87 1935.43,456.5 1948.62,469.69 1987.99,469.69 ; 1882.87,1463.39 1922.24,1463.39 1935.43,1476.57 1935.43,1550.2 1948.62,1563.39 1987.99,1563.39 ; 1882.87,1663.39 2077.76,1663.39 2111.22,1696.85 ; 1882.87,2731.89 2077.95,2731.89 2120.94,2688.91 2175,2688.91 2175,2636.03 2313.97,2497.05 2536.15,2497.05 ; v5@2073.82,1692.98 2136.82,1692.98 ; 2113.19,1696.92 2176.19,1696.92 ; 2360.04,2706.76 2360.04,2768.71 2411.22,2819.88 2753.74,2819.88 2820.67,2752.95 2820.67,2713.58 2847.79,2686.46 2903.35,2686.46 ; 2399.41,2710.7 2399.41,2772.64 2450.59,2823.82 2793.11,2823.82 2860.04,2756.89 2860.04,2717.52 2887.16,2690.4 2942.72,2690.4 ; 2556.17,2045.27 2820.87,2045.27 2963.58,1902.56 v5(2970.47,1902.56) ; 2559.13,1281.49 2569.95,1270.67 v5(2652.56,1270.67) ; 2595.54,2049.21 2860.24,2049.21 3002.95,1906.5 3009.84,1906.5 ; 2598.5,1285.43 2609.32,1274.61 2691.93,1274.61 ; v3(2896.65,1592.52) 2896.65,1621.98 2901.57,1626.9 ; 2903.35,2757.95 2949.53,2757.95 2977.09,2730.39 3087.92,2730.39 3090.35,2727.95 ; 2936.02,1596.46 2936.02,1625.92 2940.94,1630.83 ; 2942.72,2761.89 2988.9,2761.89 3016.46,2734.32 3127.29,2734.32 3129.72,2731.89 ; v5(2968.5,1663.39) 3086.42,1663.39 3090.35,1659.45 ; 3007.87,1667.32 3125.79,1667.32 3129.72,1663.39 ; 3542.32,365.75 3581.69,365.75 3594.88,378.94 3594.88,452.56 3608.07,465.75 3647.44,465.75 ; 3542.32,565.75 3763.78,565.75 3861.09,468.43 4001.77,468.43 ; 3542.32,1459.45 3581.69,1459.45 3594.88,1472.64 3594.88,1546.26 3608.07,1559.45 3647.44,1559.45 ; 3542.32,2527.95 3581.69,2527.95 3594.88,2541.14 3594.88,2614.76 3608.07,2627.95 3647.44,2627.95 ; 3581.69,369.69 3621.06,369.69 3634.25,382.87 3634.25,456.5 3647.44,469.69 3686.81,469.69 ; 3581.69,569.69 3803.15,569.69 3900.46,472.37 4041.14,472.37 ; 3581.69,1463.39 3621.06,1463.39 3634.25,1476.57 3634.25,1550.2 3647.44,1563.39 3686.81,1563.39 ; 3581.69,2531.89 3621.06,2531.89 3634.25,2545.08 3634.25,2618.7 3647.44,2631.89 3686.81,2631.89 ; 4056.89,1732.21 4060.83,1732.21 4060.83,1701.77 4104.13,1658.46 4588.82,1658.46 ; 4096.26,1736.15 4100.2,1736.15 4100.2,1705.71 4143.5,1662.4 4628.19,1662.4 ; 4479.2,587.59 4604.14,587.59 4625.98,565.75 4787.8,565.75 ; 4518.57,591.53 4643.51,591.53 4665.35,569.69 4827.17,569.69 ; 4639.56,2728.28 4645.47,2728.28 4645.79,2727.95 4787.8,2727.95 ; 4660.31,1658.46 4660.31,1659.45 4787.8,1659.45 ; 4678.93,2732.21 4684.84,2732.21 4685.16,2731.89 4827.17,2731.89 ; 4699.68,1662.4 4699.68,1663.39 4827.17,1663.39
  Bottom Layer w31.5: 238.98,2528.35 238.98,2628.35 295.08,2628.35 295.08,2631.1 913.19,3249.21 913.19,3284.65 v8(917.13,3288.58) ; 238.98,2728.35 239.57,2728.94 ; 278.35,2532.28 278.35,2632.28 334.45,2632.28 334.45,2635.04 952.56,3253.15 952.56,3288.58 956.5,3292.52 ; 278.35,2732.28 278.94,2732.87 ; v8(806.89,3020.87) 810.83,3024.8 v8(1039.17,3024.8) ; 846.26,3024.8 850.2,3028.74 1078.54,3028.74 ; 1843.5,2527.95 1931.55,2527.95 1950,2546.4 1950,2626.57 1948.62,2627.95 ; 1882.87,2531.89 1970.92,2531.89 1989.37,2550.34 1989.37,2630.51 1987.99,2631.89
  other v1: 6234.44,137.24 7764.87,141.17 9316.06,149.05 6232.44,196.24 7762.87,200.17 9314.06,208.05 6132.44,225.24 7662.87,229.17 9214.06,237.05 5311.44,347.24 6841.87,351.17 5826.44,373.24 7356.87,377.17 8908.06,385.05 5978.44,401.24 5755.44,402.24 7508.87,405.17 7285.87,406.17 9060.06,413.05 8837.06,414.05 6032.44,428.24 7562.87,432.17 9114.06,440.05 5826.44,462.24 7356.87,466.17 8908.06,474.05 6239.44,527.24 7769.87,531.17 6063.44,532.24 6153.44,533.24 7593.87,536.17 7683.87,537.17 9321.06,539.05 6108.44,542.36 9145.06,544.05 9235.06,545.05 7638.87,546.3 9190.06,554.17 6238.44,574.24 7768.87,578.17 9320.06,586.05 6236.44,625.24 7766.87,629.17 9318.06,637.05 5311.44,779.24 6841.87,783.17 6174.44,789.91 7704.87,793.85 9256.06,801.72 5813.44,802.24 7343.87,806.17 8895.06,814.05 5755.44,831.24 5978.44,833.24 7285.87,835.17 7508.87,837.17 8837.06,843.05 9060.06,845.05 5327.44,845.24 5359.44,845.24 5390.44,845.24 5421.44,845.24 5452.44,845.24 5485.44,845.24 6857.87,849.17 6889.87,849.17 6920.87,849.17 6951.87,849.17 6982.87,849.17 7015.87,849.17 8409.06,857.05 8441.06,857.05 8472.06,857.05 8503.06,857.05 8534.06,857.05 8567.06,857.05 5926.44,857.24 7456.87,861.17 6141.81,866.38 9008.06,869.05 7672.24,870.32 5847.44,875.24 9223.43,878.19 7377.87,879.17 8929.06,887.05 6063.44,963.24 6112.44,964.24 6228.44,964.24 6159.44,965.24 7593.87,967.17 7642.87,968.17 7758.87,968.17 7689.87,969.17 9145.06,975.05 9194.06,976.05 9310.06,976.05 9241.06,977.05 5278.44,985.24 5309.44,985.24 5342.44,985.24 5406.44,985.24 5437.44,985.24 5467.44,985.24 6808.87,989.17 6839.87,989.17 6872.87,989.17 6936.87,989.17 6967.87,989.17 6997.87,989.17 8360.06,997.05 8391.06,997.05 8424.06,997.05 8488.06,997.05 8519.06,997.05 8549.06,997.05 6227.44,1011.24 7757.87,1015.17 9309.06,1023.05 5573.44,1050.24 7103.87,1054.17 8655.06,1062.05 6227.44,1065.24 7757.87,1069.17 9309.06,1077.05 5311.44,1210.24 6841.87,1214.17 5813.44,1229.24 7343.87,1233.17 8895.06,1241.05 6117.44,1251.91 7647.87,1255.85 5756.44,1261.24 5975.44,1261.24 9199.06,1263.72 7286.87,1265.17 7505.87,1265.17 5326.44,1269.24 5357.44,1269.24 5391.44,1269.24 5422.44,1269.24 5453.44,1269.24 5485.44,1269.24 8838.06,1273.05 9057.06,1273.05 6856.87,1273.17 6887.87,1273.17 6921.87,1273.17 6952.87,1273.17 6983.87,1273.17 7015.87,1273.17 8408.06,1281.05 8439.06,1281.05 8473.06,1281.05 8504.06,1281.05 8535.06,1281.05 8567.06,1281.05 5917.44,1287.24 7447.87,1291.17 8999.06,1299.05 5842.44,1307.24 7372.87,1311.17 8924.06,1319.05 6067.44,1389.24 6113.44,1390.24 6159.44,1390.24 6229.44,1390.24 7597.87,1393.17 7643.87,1394.17 7689.87,1394.17 7759.87,1394.17 9149.06,1401.05 9195.06,1402.05 9241.06,1402.05 9311.06,1402.05 5279.44,1416.24 5406.44,1416.24 5436.44,1416.24 5468.44,1416.24 6809.87,1420.17 6936.87,1420.17 6966.87,1420.17 6998.87,1420.17 8361.06,1428.05 8488.06,1428.05 8518.06,1428.05 8550.06,1428.05 6228.44,1437.24 7758.87,1441.17 9310.06,1449.05 5578.44,1484.24 7108.87,1488.17 5327.44,1494.24 5358.44,1494.24 5390.44,1494.24 5421.44,1494.24 5454.44,1494.24 5485.44,1494.24 8660.06,1496.05 6227.44,1496.24 6857.87,1498.17 6888.87,1498.17 6920.87,1498.17 6951.87,1498.17 6984.87,1498.17 7015.87,1498.17 7757.87,1500.17 8409.06,1506.05 8440.06,1506.05 8472.06,1506.05 8503.06,1506.05 8536.06,1506.05 8567.06,1506.05 9309.06,1508.05 7902.87,1616.17 5374.44,1630.24 5405.44,1630.24 5437.44,1630.24 5468.44,1630.24 6904.87,1634.17 6935.87,1634.17 6967.87,1634.17 6998.87,1634.17 8456.06,1642.05 8487.06,1642.05 8519.06,1642.05 8550.06,1642.05 5813.44,1659.24 6346.44,1659.24 7343.87,1663.17 7876.87,1663.17 8895.06,1671.05 9428.06,1671.05 6119.44,1676.91 7649.87,1680.85 5759.44,1686.24 5969.44,1686.24 9201.06,1688.72 7289.87,1690.17 7499.87,1690.17 6142.44,1697.91 8841.06,1698.05 9051.06,1698.05 5327.44,1699.24 5359.44,1699.24 5391.44,1699.24 5421.44,1699.24 5454.44,1699.24 5484.44,1699.24 7672.87,1701.85 6857.87,1703.17 6889.87,1703.17 6921.87,1703.17 6951.87,1703.17 6984.87,1703.17 7014.87,1703.17 9224.06,1709.72 5917.44,1710.24 8409.06,1711.05 8441.06,1711.05 8473.06,1711.05 8503.06,1711.05 8536.06,1711.05 8566.06,1711.05 7447.87,1714.17 8999.06,1722.05 6110.44,1813.24 6132.44,1813.24 6154.44,1813.24 7640.87,1817.17 7662.87,1817.17 7684.87,1817.17 6222.44,1823.24 6065.22,1824.58 9192.06,1825.05 9214.06,1825.05 9236.06,1825.05 7752.87,1827.17 7595.66,1828.52 9304.06,1835.05 9146.84,1836.39 5405.44,1842.24 5440.44,1842.24 5471.44,1842.24 6935.87,1846.17 6970.87,1846.17 7001.87,1846.17 6222.44,1848.24 7752.87,1852.17 8487.06,1854.05 8522.06,1854.05 8553.06,1854.05 9304.06,1860.05 6222.44,1871.24 7752.87,1875.17 9304.06,1883.05 5568.44,1898.24 7098.87,1902.17 8650.06,1910.05 5296.44,1913.24 5359.44,1913.24 5390.44,1913.24 5422.44,1913.24 5454.44,1913.24 6222.44,1916.24 6826.87,1917.17 6889.87,1917.17 6920.87,1917.17 6952.87,1917.17 6984.87,1917.17 7752.87,1920.17 8378.06,1925.05 8441.06,1925.05 8472.06,1925.05 8504.06,1925.05 8536.06,1925.05 9304.06,1928.05 5310.44,2053.24 5437.44,2053.24 6840.87,2057.17 6967.87,2057.17 8392.06,2065.05 8519.06,2065.05 6117.2,2075.32 7647.64,2079.25 5813.44,2080.24 6392.44,2081.24 7343.87,2084.17 7922.87,2085.17 9198.82,2087.13 8895.06,2092.05 9474.06,2093.05 6125.44,2099.24 7655.87,2103.17 5757.44,2107.24 5976.44,2110.24 9207.06,2111.05 7287.87,2111.17 7506.87,2114.17 8839.06,2119.05 9058.06,2122.05 5326.44,2126.24 5358.44,2126.24 5389.44,2126.24 5421.44,2126.24 5453.44,2126.24 6856.87,2130.17 6888.87,2130.17 6919.87,2130.17 6951.87,2130.17 6983.87,2130.17 5930.44,2134.24 8408.06,2138.05 8440.06,2138.05 8471.06,2138.05 8503.06,2138.05 8535.06,2138.05 7460.87,2138.17 9012.06,2146.05 5840.44,2152.24 7370.87,2156.17 8922.06,2164.05 7925.87,2185.17 6069.44,2238.24 6113.44,2238.24 7599.87,2242.17 7643.87,2242.17 6091.44,2248.36 9151.06,2250.05 9195.06,2250.05 7621.87,2252.3 9173.06,2260.17 5343.44,2263.24 5438.44,2263.24 6873.87,2267.17 6968.87,2267.17 8425.06,2275.05 8520.06,2275.05 6256.44,2305.91 7786.87,2309.85 9338.06,2317.72 6229.44,3369.91 7759.87,3373.85 9311.06,3381.72 6229.44,3401.24 7759.87,3405.17 9311.06,3413.05 6229.44,3426.24 7759.87,3430.17 9311.06,3438.05 6229.44,3484.24 7759.87,3488.17 9311.06,3496.05 5816.44,3639.24 7346.87,3643.17 8898.06,3651.05 5757.44,3671.24 7287.87,3675.17 5982.44,3680.24 8839.06,3683.05 7512.87,3684.17 5328.44,3686.24 5358.44,3686.24 5389.44,3686.24 5421.44,3686.24 5453.44,3686.24 5484.44,3686.24 6858.87,3690.17 6888.87,3690.17 6919.87,3690.17 6951.87,3690.17 6983.87,3690.17 7014.87,3690.17 9064.06,3692.05 8410.06,3698.05 8440.06,3698.05 8471.06,3698.05 8503.06,3698.05 8535.06,3698.05 8566.06,3698.05 5960.44,3706.24 7490.87,3710.17 9042.06,3718.05 5821.44,3727.24 7351.87,3731.17 8903.06,3739.05 6076.44,3814.24 6099.44,3814.24 6122.44,3814.24 6169.44,3814.24 6193.44,3814.24 6238.44,3814.24 7606.87,3818.17 7629.87,3818.17 7652.87,3818.17 7699.87,3818.17 7723.87,3818.17 7768.87,3818.17 5280.44,3825.24 5310.44,3825.24 5342.44,3825.24 5373.44,3825.24 5406.44,3825.24 5469.44,3825.24 9158.06,3826.05 9181.06,3826.05 9204.06,3826.05 9251.06,3826.05 9275.06,3826.05 9320.06,3826.05 6810.87,3829.17 6840.87,3829.17 6872.87,3829.17 6903.87,3829.17 6936.87,3829.17 6999.87,3829.17 8362.06,3837.05 8392.06,3837.05 8424.06,3837.05 8455.06,3837.05 8488.06,3837.05 8551.06,3837.05 6236.44,3861.24 7766.87,3865.17 9318.06,3873.05 6236.44,3907.24 7766.87,3911.17 9318.06,3919.05 5374.44,4041.24 5404.44,4041.24 5436.44,4041.24 5469.44,4041.24 6904.87,4045.17 6934.87,4045.17 6966.87,4045.17 6999.87,4045.17 8456.06,4053.05 8486.06,4053.05 8518.06,4053.05 8551.06,4053.05 5814.44,4065.24 7344.87,4069.17 8896.06,4077.05 5758.44,4090.24 7288.87,4094.17 6125.44,4097.24 7655.87,4101.17 8840.06,4102.05 5980.44,4105.24 9207.06,4109.05 7510.87,4109.17 5327.44,4111.24 5359.44,4111.24 5391.44,4111.24 5422.44,4111.24 5452.44,4111.24 5485.44,4111.24 6857.87,4115.17 6889.87,4115.17 6921.87,4115.17 6952.87,4115.17 6982.87,4115.17 7015.87,4115.17 9062.06,4117.05 5609.44,4118.24 7139.87,4122.17 8409.06,4123.05 8441.06,4123.05 8473.06,4123.05 8504.06,4123.05 8534.06,4123.05 8567.06,4123.05 8691.06,4130.05 5957.44,4131.24 7487.87,4135.17 9039.06,4143.05 5823.44,4148.24 7353.87,4152.17 8905.06,4160.05 6074.44,4234.24 6119.44,4234.24 6164.44,4234.24 7604.87,4238.17 7649.87,4238.17 7694.87,4238.17 9156.06,4246.05 9201.06,4246.05 9246.06,4246.05 5374.44,4247.24 5437.44,4247.24 6904.87,4251.17 6967.87,4251.17 8456.06,4259.05 8519.06,4259.05 6235.44,4280.24 7765.87,4284.17 9317.06,4292.05 5326.44,4325.24 5358.44,4325.24 5391.44,4325.24 5422.44,4325.24 5452.44,4325.24 5485.44,4325.24 6856.87,4329.17 6888.87,4329.17 6921.87,4329.17 6952.87,4329.17 6982.87,4329.17 7015.87,4329.17 6233.44,4331.24 7763.87,4335.17 8408.06,4337.05 8440.06,4337.05 8473.06,4337.05 8504.06,4337.05 8534.06,4337.05 8567.06,4337.05 9315.06,4343.05 5589.44,4460.24 7119.87,4464.17 8671.06,4472.05 5816.44,4490.24 6149.44,4490.24 7346.87,4494.17 7679.87,4494.17 8898.06,4502.05 9231.06,4502.05 5759.44,4516.24 6122.44,4520.91 7289.87,4520.17 7652.87,4524.85 8841.06,4528.05 5961.44,4531.24 9204.06,4532.72 5328.44,4534.24 5361.44,4534.24 5392.44,4534.24 5423.44,4534.24 5453.44,4534.24 5485.44,4534.24 7491.87,4535.17 6858.87,4538.17 6891.87,4538.17 6922.87,4538.17 6953.87,4538.17 6983.87,4538.17 7015.87,4538.17 9043.06,4543.05 8410.06,4546.05 8443.06,4546.05 8474.06,4546.05 8505.06,4546.05 8535.06,4546.05 8567.06,4546.05 5942.44,4558.24 7472.87,4562.17 9024.06,4570.05 5820.44,4581.24 7350.87,4585.17 8902.06,4593.05 6052.44,4668.24 6075.44,4668.24 6097.44,4668.24 6119.44,4668.24 6141.44,4668.24 6164.44,4668.24 6186.44,4668.24 6233.44,4669.24 7582.87,4672.17 7605.87,4672.17 7627.87,4672.17 7649.87,4672.17 7671.87,4672.17 7694.87,4672.17 7716.87,4672.17 7763.87,4673.17 5281.44,4674.24 5342.44,4674.24 5374.44,4674.24 5404.44,4674.24 5437.44,4674.24 6811.87,4678.17 6872.87,4678.17 6904.87,4678.17 6934.87,4678.17 6967.87,4678.17 9134.06,4680.05 9157.06,4680.05 9179.06,4680.05 9201.06,4680.05 9223.06,4680.05 9246.06,4680.05 9268.06,4680.05 9315.06,4681.05 8363.06,4686.05 8424.06,4686.05 8456.06,4686.05 8486.06,4686.05 8519.06,4686.05 6233.44,4715.24 7763.87,4719.17 9315.06,4727.05 5326.44,4756.24 5359.44,4756.24 5391.44,4756.24 5422.44,4756.24 5453.44,4756.24 5485.44,4756.24 6856.87,4760.17 6889.87,4760.17 6921.87,4760.17 6952.87,4760.17 6983.87,4760.17 7015.87,4760.17 6232.44,4763.24 7762.87,4767.17 8408.06,4768.05 8441.06,4768.05 8473.06,4768.05 8504.06,4768.05 8535.06,4768.05 8567.06,4768.05 9314.06,4775.05 5311.44,4900.24 5374.44,4900.24 6841.87,4904.17 6904.87,4904.17 8393.06,4912.05 8456.06,4912.05 5817.44,4915.24 7347.87,4919.17 8899.06,4927.05 6113.44,4937.24 7643.87,4941.17 9195.06,4949.05 5757.44,4949.24 7287.87,4953.17 6125.44,4955.24 7655.87,4959.17 8839.06,4961.05 5986.44,4964.24 9207.06,4967.05 7516.87,4968.17 5358.44,4971.24 5390.44,4971.24 5422.44,4971.24 5454.44,4971.24 5486.44,4971.24 6888.87,4975.17 6920.87,4975.17 6952.87,4975.17 6984.87,4975.17 7016.87,4975.17 9068.06,4976.05 8440.06,4983.05 8472.06,4983.05 8504.06,4983.05 8536.06,4983.05 8568.06,4983.05 5948.44,4990.24 7478.87,4994.17 9030.06,5002.05 5827.44,5013.24 7357.87,5017.17 8909.06,5025.05 5252.44,5027.24 6782.87,5031.17 8334.06,5039.05 6085.44,5092.24 6131.44,5092.24 6154.44,5092.24 6177.44,5092.24 7615.87,5096.17 7661.87,5096.17 7684.87,5096.17 7707.87,5096.17 9167.06,5104.05 9213.06,5104.05 9236.06,5104.05 9259.06,5104.05 5311.44,5106.24 5342.44,5106.24 5375.44,5106.24 5406.44,5106.24 5438.44,5106.24 5468.44,5106.24 6841.87,5110.17 6872.87,5110.17 6905.87,5110.17 6936.87,5110.17 6968.87,5110.17 6998.87,5110.17 8393.06,5118.05 8424.06,5118.05 8457.06,5118.05 8488.06,5118.05 8520.06,5118.05 8550.06,5118.05